# KiCad board pandore.kicad_pcb (continued)
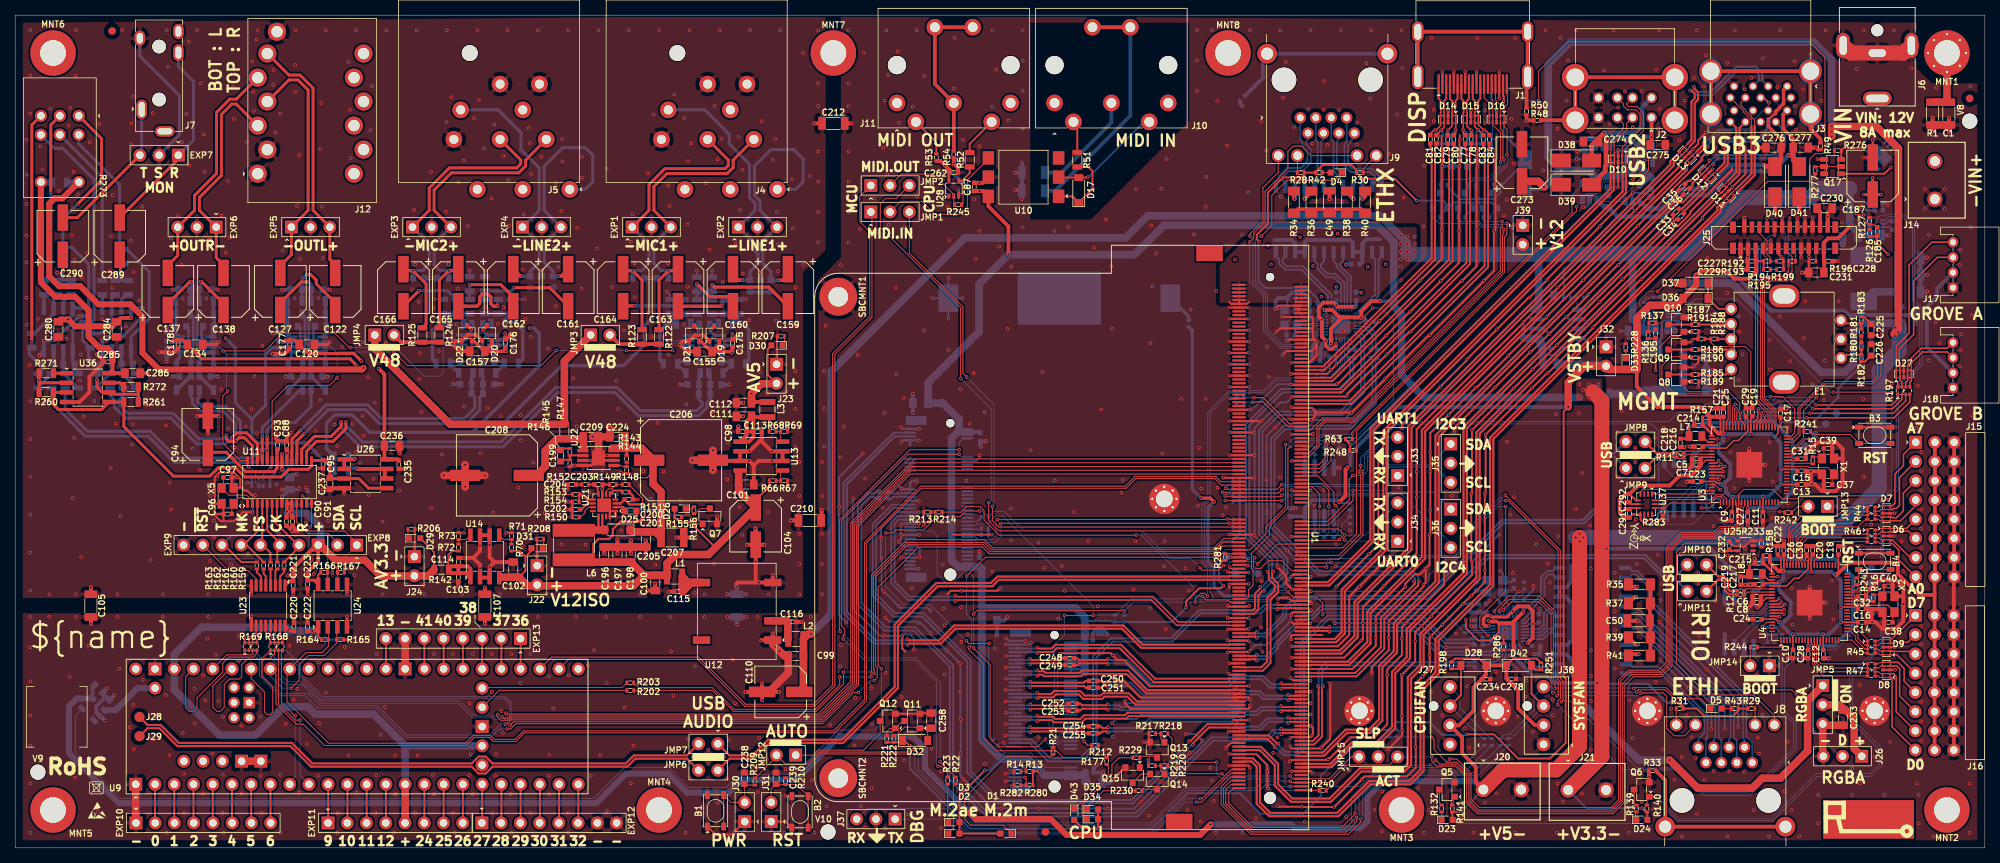
[diagram p0: board, top side]
## Routing (per net, layer and track width the routed paths; a pad name or vN(x,y) marks a point on that pad's centre or on a via; arc(x,y) is an arc through that point) (continued)
  Bottom w0.3: J19.63 117.24,39.85 v1(116.65,40.44) ; v1(116.95,55.55) 117.15,55.35 J19.1 v1(119.3,55.35) ; v1(119.3,42.85) J19.51 117.11,42.85 v1(116.91,42.64) ; J19.69 v1(116.95,38.35) ; v1(116.95,53.6) 117.2,53.85 J19.7 ; 116.63,47.82 v1(116.97,47.48) 117.1,47.35 J19.33 118.14,48.19 118.41,48.46 v1(118.97,48.46) ; J19.39 119.25,45.85 v1(119.3,45.8) ; C272.1 C271.1 ; v1(119.3,41.35) J19.57 v1(116.95,41.35) ; J19.7 118.14,53.14 ; J19.7 v1(119.3,53.85) ; v1(127.3,51.87) 127.3,51.55 126.85,51.1 J19.18 ; J19.45 v1(119.25,44.35) ; J19.75 v1(119.25,36.85)
  Bottom w0.35: v1(190.65,90.04) Q1.2 v1(188.38,90.04)
  Bottom w0.5: C51.1 175.74,77.11 v1(175.66,77.02) ; v1(12.13,21.1) 11.55,20.52 C264.1 12,20 ; C59.1 C71.1 170.85,72.44 169.91,73.38 168.57,73.38 167.92,72.73 C73.1 166.68,72.62 166.37,72.31 v1(166.37,71.23) ; v1(106.45,44.65) 106.45,43.3 C210.2 ; C109.2 v1(96.5,30.5) ; C109.2 95.25,29.55 v1(95.3,29.5) ; C109.2 v1(94,30.5) ; v1(110.4,95.7) 109.55,95.7 C213.2 ; v1(142.8,11) 142.35,10.55 C246.1 143.63,9.95 v1(143.64,9.94) 143.45,9.75 C247.1 144.4,8.55 v1(144.9,9.05) ; v1(252.4,78) 252.35,77.95 C181.1 C182.1 252.35,73.45 v1(252.4,73.5) ; v1(118.5,60) C243.1 v1(118.5,57.5) ; v1(218.06,43.28) 218.06,44.33 U5.4 ; v1(162,98) 161.68,98.32 R32.1 ; v1(11.84,16.85) 11.17,17.52 U33.2 10.73,17.88 10.73,18.73 12,20 ; U2.4 174.81,50.22 v1(174.82,50.2) ; C55.1 174.35,73.41 ; C86.2 v1(132,89.2) ; C86.2 v1(132.9,90.5) ; C86.2 132.9,86.9 ; v1(224.5,64.6) 224.05,65.05 C194.1 C192.1 223.83,60.55 v1(224.14,60.86) ; C241.1 v1(127.3,39.2) ; v1(129.5,28) 129.6,28.1 C240.1 130.5,30 v1(131,30.5) ; C65.1 171.19,64.33 C63.1 171.19,65.99 C61.1 171.46,66.52 v1(171.78,66.84) ; v1(13.08,20.18) 12.47,19.57 C263.1 12,20 ; C107.2 v1(62,29.6) ; C3.1 221.07,53.03 v1(221.05,53) ; v1(127.5,53) 127.4,53.1 C242.1 128.05,53.7 v1(128.1,53.75) ; v1(144.14,28.14) 144.14,28.31 143.81,28.65 C245.1 142.54,28.65 142.25,28.36 v1(142.25,28.12) ; C2.1 v1(169.03,44.87) ; v1(200.46,25.58) 200.49,25.55 C52.1 ; v1(247.3,80.9) 246.45,80.9 U19.8 ; C4.1 229.05,34.83 v1(229.02,34.8) ; C58.1 201.33,26.15 v1(201.34,26.14) ; 132.9,86.9 v1(132,86.9) ; 132.9,86.9 v1(132.9,85.7) ; C105.2 v1(10,29.6) ; v1(225.68,28.2) 225.66,28.19 U6.4 ; C57.1 177.01,73.41 ; C193.1 223.75,62.8 v1(224.12,63.17) ; C180.1 v1(252.4,75.7)
  Bottom w0.8: v1(219.04,68.32) 218.76,68.6 U20.8 ; v1(241.2,79.7) 241.25,79.75 C186.1
  vias: v1(2,30.5) v1(2,26.5) v1(2,22) v1(2,17.5) v1(2,13.5) v1(2,8.5) v1(2,2) v1(4.5,30.5) v1(7.18,22.59) v1(7.93,9.26) v1(8,30.5) v1(8,2) v1(9.66,26.71) v1(10.94,4.88) v1(11.34,11.34) v1(13.5,30.5) v1(13.5,2) v1(13.74,23.67) v1(15.14,15.92) v1(15.58,18.88) v1(15.65,13.04) v1(16.84,22.2) v1(18.25,14.34) v1(18.52,17.59) v1(19.5,30.5) v1(19.7,7.3) v1(19.8,27.41) v1(19.89,20.2) v1(20,2) v1(20.38,12.24) v1(22.13,15.18) v1(22.24,9.78) v1(22.3,4.6) v1(23.68,21.01) v1(23.72,16.46) v1(24.8,22.8) v1(24.8,7.2) v1(25.12,19.46) v1(25.35,27.63) v1(25.5,30.5) v1(26.03,12.44) v1(26.5,25.5) v1(26.85,19.38) v1(27.44,17.32) v1(27.42,9.65) v1(27.4,4.6) v1(27.5,2) v1(29.5,28) v1(29.5,24.7) v1(29.87,16.14) v1(29.9,7.2) v1(32.37,17.32) v1(32.39,9.54) v1(32.5,4.6) v1(35,9.65) v1(35,2) v1(35.71,16.41) v1(36.2,26.7) v1(36.77,19.57) v1(37.25,21.03) v1(37.5,7.3) v1(38.52,13.73) v1(39,27.5) v1(40,9.54) v1(40.1,24.5) v1(40.12,16.46) v1(41,20.5) v1(42.5,2) v1(42.6,24.5) v1(42.6,4.6) v1(43.5,26.5) v1(43.99,12.23) v1(45.1,24.5) v1(45.1,7.3) v1(47.6,4.6) v1(47.66,9.61) v1(47.75,25.6) v1(48.26,14.94) v1(48.5,30.5) v1(48.8,18.6) v1(50,2) v1(50.18,12.21) v1(50.2,7.1) v1(52.8,4.6) v1(53.12,12.23) v1(54,30.5) v1(55.15,9.65) v1(55.3,25.6) v1(55.3,7.1) v1(57.8,25.6) v1(57.8,4.6) v1(58,2) v1(59,30.5) v1(59.93,9.61) v1(60,19.1) v1(60.1,12.34) v1(60.4,25.6) v1(60.4,7.1) v1(62.9,25.6) v1(62.91,20.62) v1(63,4.6) v1(63.41,9.52) v1(63.48,12.4) v1(64,30.5) v1(64.16,18.06) v1(64.4,15.2) v1(65.4,7.1) v1(65.5,25.6) v1(65.5,2) v1(66.7,21.82) v1(68,25.6) v1(68,4.6) v1(69,30.5) v1(70.44,22.63) v1(70.52,12.3) v1(70.46,9.54) v1(70.5,7.1) v1(71.01,18.4) v1(73,4.6) v1(73,2) v1(73.06,22.79) v1(74,30.5) v1(75.6,24.1) v1(75.99,9.5) v1(76.41,26.1) v1(77.2,12.25) v1(78,30.5) v1(78.1,21.8) v1(78.11,4.88) v1(80.47,18.55) v1(81.27,8.54) v1(81.5,2) v1(81.6,13.51) v1(82.5,30.5) v1(82.84,21.84) v1(85.71,8.71) v1(86.5,30.5) v1(86.58,25.94) v1(86.88,20.11) v1(88.5,2) v1(88.85,14.4) v1(89.05,9.2) v1(89.45,12) v1(89.72,23.98) v1(91,30.5) v1(91.5,12.95) v1(91.5,11.1) v1(92.75,5.94) v1(93.32,18.34) v1(93.6,12) v1(93.95,9.1) v1(94.2,14.2) v1(94.74,24.87) v1(95.03,19.11) v1(98,30.5) v1(98.04,7.36) v1(98.2,14.52) v1(98.98,11.76) v1(100.35,26.55) v1(100.9,26) v1(101.5,2) v1(101.67,10.41) v1(101.65,6.88) v1(105,30.5) v1(105.18,8.96) v1(105.5,2) v1(106.5,51) v1(106.5,46.5) v1(106.5,41.5) v1(106.5,37.5) v1(106.5,33.5) v1(106.79,63.02) v1(106.79,58) v1(106.79,53) v1(107,69) v1(107.13,5.48) v1(107.6,16.2) v1(108.92,51.6) v1(108.9,24) v1(109,77) v1(109,26.8) v1(109.22,3.14) v1(109.37,55.65) v1(110,108) v1(110,101) v1(110,98) v1(110,92) v1(110,88) v1(110,84) v1(110,80) v1(110.77,13.54) v1(110.91,86.93) v1(110.9,19.8) v1(111.2,65.11) v1(111.49,81.75) v1(111.63,5.5) v1(112,105) v1(112.2,48.79) v1(112.21,11.37) v1(112.21,2.66) v1(113,21.1) v1(113.1,16.32) v1(113.05,7.89) v1(113.39,85.79) v1(113.77,81.37) v1(114.51,44.95) v1(114.6,92.5) v1(114.8,98.7) v1(114.76,57.44) v1(114.9,23.12) v1(114.86,2.53) v1(115,108) v1(115.14,88.96) v1(115.2,102.1) v1(115.3,82.29) v1(116.24,74) v1(116.19,13.21) v1(116.31,62.57) v1(116.5,105.2) v1(116.7,95.8) v1(117.02,19.94) v1(117.31,59.44) v1(117.34,11.56) v1(117.39,81.97) v1(117.95,7.83) v1(117.89,4.42) v1(118.38,34.29) v1(118.5,97.9) v1(119,108) v1(119,2) v1(119.05,86.06) v1(120,102) v1(120,83.6) v1(119.98,68.35) v1(120.4,91.2) v1(121,13.1) v1(121.52,6.01) v1(122.2,10.1) v1(122.22,2.61) v1(122.34,43.02) v1(122.3,4.4) v1(122.41,89.23) v1(122.46,37.42) v1(122.58,31.63) v1(122.7,93.5) v1(122.69,29.41) v1(122.7,22.9) v1(123.1,84.6) v1(123.2,65.78) v1(123.3,80.3) v1(123.9,100.3) v1(124,107) v1(124.79,60.6) v1(124.85,31.79) v1(124.9,27.24) v1(125.1,93.5) v1(125.55,48.51) v1(125.75,28.23) v1(126,56) v1(126.53,62.71) v1(126.6,85.7) v1(126.8,77.8) v1(127.3,92.7) v1(127.29,81.51) v1(128,57.5) v1(128,11.1) v1(129,108) v1(129,97.9) v1(129,36.5) v1(129.3,26.3) v1(129.5,102.8) v1(129.89,79.43) v1(130.4,7.1) v1(130.99,68.57) v1(131.1,96.1) v1(131.43,44.81) v1(131.43,40.6) v1(131.51,76.78) v1(133,108) v1(133,104) v1(133,100) v1(133,95) v1(133,82) v1(134.06,52.53) v1(135.07,40.3) v1(135.06,14.64) v1(135.61,62.88) v1(135.84,37) v1(136.4,23.8) v1(137.17,81.51) v1(137.23,48.53) v1(137.7,30.3) v1(138.15,37.2) v1(138.53,33.96) v1(139,82) v1(139.77,44.37) v1(141.62,40.52) v1(142.41,79.29) v1(142.9,31.9) v1(143.34,57.92) v1(143.73,13) v1(144,83) v1(144.7,76.82) v1(144.81,68.57) v1(144.88,14.71) v1(146.04,46.92) v1(146.2,48.6) v1(147.61,34.13) v1(147.9,40.5) v1(148,87) v1(148.62,6.12) v1(149.64,4.27) v1(149.86,66.69) v1(149.87,31.67) v1(149.96,82.2) v1(150.11,74.17) v1(150.63,78.54) v1(151.28,87.08) v1(151.26,8.75) v1(151.43,52.09) v1(151.71,40.5) v1(151.66,37.22) v1(151.87,28.88) v1(152,91) v1(153.34,10.82) v1(153.91,59.31) v1(154.07,8.8) v1(154.48,36.95) v1(154.75,4.96) v1(154.96,33.99) v1(155.16,71.06) v1(155.58,81.04) v1(156,108) v1(156,104) v1(156,100) v1(156,95) v1(156.15,45.18) v1(156.28,52.86) v1(156.5,3.5) v1(156.56,47.45) v1(157.25,88.63) v1(157.15,84.67) v1(157.16,59.32) v1(157.78,10.59) v1(158,108) v1(158,8.9) v1(158.24,6.2) v1(158.5,2) v1(158.55,73.57) v1(158.67,98.65) v1(158.72,47.57) v1(159.39,43.94) v1(159.85,45.02) v1(159.98,92.76) v1(161.02,77.73) v1(161.95,80.99) v1(162,2) v1(162.78,86.58) v1(163,108) v1(163.77,3.93) v1(164.45,29.1) v1(164.48,96.01) v1(164.5,35.2) v1(164.65,25.91) v1(165.15,92.13) v1(165.22,66.2) v1(165.37,79.56) v1(165.5,62.2) v1(165.79,77.08) v1(166.05,12.55) v1(166.6,14.6) v1(166.93,45.09) v1(167,108) v1(167.04,86.02) v1(166.99,48.94) v1(167.36,99.11) v1(167.73,103.79) v1(168.86,95.24) v1(169.59,80.68) v1(170.21,3.43) v1(170.72,97.59) v1(171,108) v1(171.2,93.05) v1(171.32,76.87) v1(171.48,45.21) v1(171.74,85.4) v1(172.42,72.83) v1(172.72,97.5) v1(172.7,47.25) v1(172.75,101.28) v1(173.23,92.86) v1(173.88,69.85) v1(173.96,53.48) v1(174.36,40.12) v1(174.57,81.15) v1(174.74,97.46) v1(175,108) v1(175.2,85.35) v1(175.33,68.24) v1(175.7,4.1) v1(176.01,69.1) v1(176.1,10.2) v1(176.22,41.95) v1(177.14,95.81) v1(177.12,92.93) v1(178.39,103.65) v1(178.54,76.74) v1(178.87,99) v1(179,108) v1(179.43,5.04) v1(179.82,85.91) v1(180.44,7.47) v1(180.4,2.2) v1(180.92,77.09) v1(181.34,91.68) v1(182.41,96.86) v1(182.6,47.65) v1(182.93,75) v1(183,108) v1(183.12,103.02) v1(183.29,85.92) v1(185.2,7.9) v1(185.9,93.6) v1(185.9,82.1) v1(186,90.1) v1(186,2) v1(186.6,5) v1(186.89,20.63) v1(187,107) v1(187.25,97.5) v1(187.25,96) v1(188.38,17.48) v1(189.68,46.52) v1(190.24,28.32) v1(190.6,4) v1(191.37,15.83) v1(191.63,21.35) v1(191.94,13.25) v1(192.5,2) v1(193,107) v1(194,97.43) v1(194,95.75) v1(194,6) v1(195.44,23.26) v1(195.6,7.2) v1(196.5,83.5) v1(196.63,28.8) v1(196.8,12) v1(196.9,85.6) v1(196.92,53.64) v1(197.35,44.03) v1(197.5,96.3) v1(197.6,81.9) v1(197.72,36.29) v1(197.79,90.37) v1(197.83,46.32) v1(198,107) v1(198,2) v1(198.33,17.32) v1(199.39,20.02) v1(199.52,22.11) v1(200.33,15.31) v1(200.8,40.1) v1(201.7,89.5) v1(202,108) v1(202.31,37.56) v1(202.57,35.02) v1(202.95,17.54) v1(202.98,19.57) v1(203.4,57.3) v1(203.5,2) v1(203.6,95) v1(203.6,8.5) v1(203.7,41.2) v1(204,107) v1(204.3,6.1) v1(204.8,98.7) v1(205,104) v1(206,108) v1(205.98,44.75) v1(206.4,57.4) v1(206.82,49.52) v1(206.8,7.2) v1(207.9,42.6) v1(208,36.9) v1(208,26.1) v1(208,22.7) v1(208,19.4) v1(208,13) v1(209,2) v1(209.7,102.7) v1(210.5,95.6) v1(211,108) v1(211.15,36.33) v1(211.15,31.26) v1(211.2,28.76) v1(211.16,23.69) v1(211.5,54.9) v1(211.6,97.8) v1(211.69,48.93) v1(211.95,51.9) v1(212.05,57.72) v1(212.5,99.9) v1(212.95,67.3) v1(213,2) v1(213.1,19.5) v1(213.5,95.2) v1(213.5,14.5) v1(213.85,52.9) v1(213.85,50.9) v1(213.92,43.42) v1(214.06,37.47) v1(214.7,100) v1(214.7,6.1) v1(215.75,51.95) v1(216.15,48.95) v1(216.45,54.2) v1(216.5,4.5) v1(216.6,102.8) v1(216.55,21.92) v1(216.84,38.71) v1(216.9,95) v1(217,108) v1(217.1,97.6) v1(217.2,32.72) v1(217.36,34.86) v1(217.5,13) v1(217.6,55.53) v1(218.6,18.4) v1(219,9) v1(219.7,93.5) v1(219.82,38.85) v1(219.8,32) v1(220,12) v1(220,1.5) v1(220.2,35.6) v1(220.4,98.7) v1(220.61,17.44) v1(221.33,14.62) v1(221.6,101.7) v1(221.83,11.88) v1(222,108) v1(222,4.5) v1(222.2,36.3) v1(222.2,34.9) v1(222.3,28) v1(222.9,100.6) v1(223,9) v1(223.2,104.7) v1(223.4,77.9) v1(224.2,42.46) v1(224.22,10.16) v1(224.4,92.5) v1(224.4,32.6) v1(225.09,37.11) v1(225.4,70.2) v1(225.4,68.2) v1(226,103.7) v1(226,73.3) v1(226,38.62) v1(226,1.5) v1(226.25,10.1) v1(226.4,52.3) v1(226.9,47.5) v1(226.9,35.3) v1(227,108) v1(227.5,70.2) v1(227.5,61.8) v1(227.6,68.2) v1(227.7,37.2) v1(227.7,24.7) v1(228,65.2) v1(228.1,60.1) v1(228.3,100.2) v1(228.26,10.04) v1(229.2,101.7) v1(229.5,5) v1(229.9,22.8) v1(230.02,14.57) v1(230.19,12.45) v1(230.64,17.63) v1(230.7,104.3) v1(231.5,74.3) v1(231.5,1.5) v1(231.61,67.09) v1(231.64,63.21) v1(231.6,53.6) v1(231.9,43.6) v1(232,48.4) v1(232.6,100.5) v1(232.93,70.22) v1(233,108) v1(233.5,7.5) v1(234,55.54) v1(234,45.5) v1(234,14) v1(234.29,64.28) v1(234.5,34.3) v1(234.5,5) v1(234.6,29.5) v1(234.9,103.9) v1(234.9,98) v1(235.1,94.9) v1(235.2,19.3) v1(235.5,1.5) v1(236,100.2) v1(236.1,67.35) v1(236.3,72.2) v1(236.8,78.1) v1(237,104.9) v1(237.25,61.28) v1(238,7) v1(238,3.25) v1(238.41,98.72) v1(238.41,94.92) v1(238.77,59.13) v1(238.86,64.37) v1(239,108) v1(239.8,35.3) v1(240,30.2) v1(240.7,72.2) v1(241.23,50.5) v1(241.5,13.5) v1(242,38.35) v1(242.5,10.5) v1(242.5,7) v1(243.1,102.9) v1(243.5,21.5) v1(243.5,8.5) v1(243.64,84.84) v1(244,108) v1(243.97,59.28) v1(244,49) v1(244,14) v1(245,42.7) v1(245.5,12) v1(246.75,7) v1(247.5,14) v1(247.68,61.38) v1(248,108) v1(249,40.5) v1(249.19,36.5) v1(249.24,32.2) v1(250.3,103) v1(251,55.5) v1(251,8.5) v1(251.17,61.05) v1(251.25,7) v1(251.25,3.25) v1(251.6,52.3) v1(251.6,49.8) v1(251.6,47.2) v1(251.6,44.7) v1(251.6,42.2) v1(251.6,39.6) v1(251.6,37.1) v1(251.6,34.5) v1(251.6,29.3) v1(251.6,26.9) v1(251.6,24.4) v1(251.6,21.8) v1(251.6,19.3) v1(251.6,16.7) v1(251.6,14.1) v1(251.6,11.7) v1(252.1,87) v1(252.1,84.4) v1(252.62,81) v1(252.6,64.4) v1(253.25,1.5) v1(253.5,69.4) v1(253.6,100.4) v1(254,66.7) v1(254.7,87) v1(254.7,84.4) v1(256.68,77.03) v1(256.71,63.63) v1(256.8,79) v1(256.86,67.84) v1(256.86,65.78) v1(258,8.5) v1(258,2) v1(258.1,100.6) v1(258.1,86.9) v1(258.12,82.01) v1(258.31,70.36) v1(258.31,57.08)
/Audio/_USB.D+: length 78.2
  Top w0.28: J29.1 17.48,15.8 19.04,15.8 21.41,13.44 36.34,13.44 39.05,10.72 60.27,10.72 61.18,9.82 62.1,9.82 63.01,10.72 80.79,10.72 81.85,11.78 88.68,11.78 JMP6.2
/Audio/_USB.D-: length 78.2
  Top w0.28: J28.1 17.48,16.23 19.22,16.23 21.59,13.87 36.52,13.87 39.23,11.16 60.27,11.16 61.18,12.06 62.1,12.06 63.01,11.16 80.61,11.16 81.67,12.22 88.68,12.22 JMP7.2
/Audio/Audio inputs/_LINE1IN.SIG+: length 36.2
  Top w0.45: C159.1 102,75 v1(100.75,75)
  Bottom w0.4: 99.75,76.12 98.7,77.17 98.7,78.71 98.33,79.08 98.33,79.78 EXP2.3 98.33,84.22 98.33,85.43 97.58,86.17 97.58,90.06 99.76,92.24 102.76,92.24 104.01,90.99 104.01,87.99 103.01,86.99 J4.T
  Bottom w0.45: 99.75,76.12 C172.2 v1(100.75,75)
/Audio/Audio inputs/_LINE1IN.SIG-: length 36
  Top w0.45: v1(96,75) 95,75 94.75,75.25 C160.1
  Bottom w0.4: J4.R 91.01,97.49 94.26,94.24 94.26,92.99 96.94,90.31 96.94,85.91 97.67,85.17 97.67,84.22 EXP2.1 97.67,79.78 97.67,78.82 98.05,78.44 98.05,77.17 97,76.12
  Bottom w0.45: v1(96,75) C170.2 97,76.12
/Audio/Audio inputs/_LINE2IN.SIG+: length 34.1
  Top w0.45: C161.1 72.05,75.5 v1(71.8,75.5)
  Bottom w0.4: 69.85,77.33 69.83,77.35 69.83,79.78 EXP4.3 69.83,84.22 69.83,90.05 72.26,92.49 75.26,92.49 76.26,91.49 76.26,87.99 75.26,86.99 J5.T
  Bottom w0.45: v1(71.8,75.5) C168.2 71,76.18 69.85,77.33
/Audio/Audio inputs/_LINE2IN.SIG-: length 34.1
  Top w0.45: v1(66.9,75.5) 66.7,75.5 C162.1
  Bottom w0.4: J5.R 63.76,97.49 66.76,94.49 66.76,92.24 69.17,89.82 69.17,84.22 EXP4.1 69.17,79.78 69.17,77.35 69.15,77.33
  Bottom w0.45: v1(66.9,75.5) C167.2 68,76.18 69.15,77.33
/Audio/Audio inputs/_MIC1IN.SIG+: length 42.4
  Top w0.4: v1(86.25,76.25) 85,75 R122.1 ; J4.2 94.78,90.86 94.78,89.88 93.98,89.08 86.03,89.08 84.31,87.36 84.31,84.22 EXP1.3 ; 87.5,77.5 C163.1
  Top w0.45: C163.1 87.3,76.25 v1(86.25,76.25)
  Bottom w0.4: EXP1.3 84.31,79.78 84.31,77.2 85.27,76.25 v1(86.25,76.25)
  Bottom w0.45: C139.1 v1(86.25,76.25)
/Audio/Audio inputs/_MIC1IN.SIG-: length 42.6
  Top w0.4: EXP1.1 83.67,84.22 83.67,87.62 85.77,89.72 93.72,89.72 94.13,90.14 94.13,90.86 J4.3 ; 80.25,77.5 C164.1 ; v1(81.5,76.25) 82.75,75 R123.1
  Top w0.45: v1(81.5,76.25) 80.45,76.25 C164.1
  Bottom w0.4: EXP1.1 83.67,79.78 83.67,77.2 82.72,76.25 v1(81.5,76.25)
  Bottom w0.45: C158.2 v1(81.5,76.25)
/Audio/Audio inputs/_MIC2IN.SIG+: length 43.5
  Top w0.4: v1(57.25,76.25) 56,75 R124.1 ; EXP3.3 55.31,84.22 55.31,86.9 57.58,89.17 66.48,89.17 67.38,90.08 67.38,90.86 J5.2 ; 58.5,77.5 C165.1
  Top w0.45: v1(57.25,76.25) 58.3,76.25 C165.1
  Bottom w0.4: v1(57.25,76.25) 56.1,76.25 55.31,77.05 55.31,79.78 EXP3.3
  Bottom w0.45: C146.1 v1(57.25,76.25)
/Audio/Audio inputs/_MIC2IN.SIG-: length 44.1
  Top w0.4: J5.3 66.73,90.86 66.73,90.34 66.22,89.83 57.32,89.83 54.66,87.16 54.66,84.22 EXP3.1 ; R125.1 54.25,69.2 54.25,74.5 v1(52.5,76.25) ; 51.25,77.55 C166.1
  Top w0.45: C166.1 51.45,76.25 v1(52.5,76.25)
  Bottom w0.4: v1(52.5,76.25) 53.8,76.25 54.66,77.11 54.66,79.78 EXP3.1
  Bottom w0.45: C147.2 v1(52.5,76.25)
/Audio/Audio inputs/IN buffer 1/INBUF.FB+: length 12.3
  Bottom w0.4: R110.2 R82.2 93.8,70.55 R118.2 95.5,70 94.88,69.38 94.7,69.38
  Bottom w0.45: 94.7,69.41 95.9,69.41 96.86,68.45 96.86,64.36 R96.1
/Audio/Audio inputs/IN buffer 1/INBUF.FB-: length 12.5
  Bottom w0.4: 88.15,70.4 R83.2 R111.2
  Bottom w0.45: R83.2 88.2,70.55 R120.2 86.5,70 R95.1 86,69.2 85.1,68.3 85.1,64.4 R97.1
/Audio/Audio inputs/IN buffer 1/INBUF.IN+: length 8
  Top w0.45: D19.3 v1(91.8,68.45)
  Bottom w0.4: C142.2 91.71,64.24 91.71,67.08 92.3,67.67 ; R94.2 C173.2 91.75,68.22 92.3,67.67 ; 92.3,67.67 U17.1
/Audio/Audio inputs/IN buffer 1/INBUF.IN-: length 8.1
  Top w0.45: D21.3 89.7,68.95 v1(90.2,68.45)
  Bottom w0.4: 89.71,67.68 90.25,68.22 C173.1 R95.2 ; 89.71,67.68 U17.8 ; 89.71,67.68 90.3,67.09 90.3,64.25 C143.2
/Audio/Audio inputs/IN buffer 1/INBUF.OUT+: length 4.7
  Bottom w0.4: R98.1 94.55,63.8 R96.2 94.3,64.2 C142.1 93.25,65.53 93.06,65.72
/Audio/Audio inputs/IN buffer 1/INBUF.OUT-: length 4.7
  Bottom w0.4: U17.5 88.75,65.52 C143.1 87.7,64.2 R97.2 87.45,63.8 R99.1
/Audio/Audio inputs/IN buffer 2/INBUF.FB+: length 12.2
  Bottom w0.4: R112.2 R88.2 R119.2 65.45,70.55 64.7,69.8 64.7,69.43
  Bottom w0.45: 64.8,69.45 65.9,69.45 67,68.36 67,64.55 R102.1
/Audio/Audio inputs/IN buffer 2/INBUF.FB-: length 12.4
  Bottom w0.4: 58.15,70.45 R89.2 R113.2
  Bottom w0.45: R89.2 R121.2 56.5,70.5 57.3,69.7 R101.1 55.95,69.25 55.1,68.4 55.1,64.45 R103.1
/Audio/Audio inputs/IN buffer 2/INBUF.IN+: length 8
  Top w0.45: D20.3 v1(61.8,68.5)
  Bottom w0.4: 62.3,67.72 U18.1 ; 62.3,67.72 61.71,67.13 61.71,64.29 C149.2 ; 62.3,67.72 61.75,68.27 C174.2 R100.2
/Audio/Audio inputs/IN buffer 2/INBUF.IN-: length 8.1
  Top w0.45: D22.3 59.7,69 v1(60.2,68.5)
  Bottom w0.4: C150.2 60.3,64.3 60.3,67.14 59.71,67.73 ; 59.71,67.73 60.25,68.27 C174.1 R101.2 ; 59.71,67.73 U18.8
/Audio/Audio inputs/IN buffer 2/INBUF.OUT+: length 4.7
  Bottom w0.4: R104.1 64.55,63.85 R102.2 64.3,64.25 C149.1 63.25,65.58 U18.4
/Audio/Audio inputs/IN buffer 2/INBUF.OUT-: length 4.7
  Bottom w0.4: U18.5 58.75,65.57 C150.1 57.7,64.25 R103.2 57.45,63.85 R105.1
/Audio/Audio inputs/LINE1IN.SIG+: length 13.2
  Top w0.45: v1(92,74.4) 92.33,74.07 99.48,74.07 C159.2
  Bottom w0.4: R114.2 R110.1
  Bottom w0.45: R114.2 v1(92,74.4)
/Audio/Audio inputs/LINE1IN.SIG-: length 8.7
  Top w0.45: C160.2 94.75,72.55 94.5,72.8 91.7,72.8 v1(90,74.5)
  Bottom w0.4: R116.2 R111.1
  Bottom w0.45: R116.2 v1(90,74.5)
/Audio/Audio inputs/LINE2IN.SIG+: length 13.3
  Top w0.4: v1(65.9,74) 70.55,74 C161.2
  Bottom w0.4: v1(65.9,74) 65.45,73.55 R115.2 R112.1
/Audio/Audio inputs/LINE2IN.SIG-: length 9.6
  Top w0.4: v1(60,74.4) 64.1,74.4 65.75,72.75 C162.2
  Bottom w0.4: R117.2 R113.1
  Bottom w0.45: v1(60,74.4) R117.2
/Audio/Audio inputs/MIC1IN.SIG+: length 7.9
  Top w0.45: 87.5,70.5 C163.2 93.25,71.55 v1(93.3,71.6)
  Bottom w0.45: v1(93.3,71.6) 93.3,71.95 R82.1
/Audio/Audio inputs/MIC1IN.SIG-: length 9.4
  Top w0.45: v1(81.7,71.6) 80.3,71.6 C164.2 80.25,70.55
  Bottom w0.45: v1(81.7,71.6) 87.45,71.6 R83.1
/Audio/Audio inputs/MIC2IN.SIG+: length 9.6
  Top w0.45: v1(63.7,71.6) 63.65,71.55 63.14,71.55 62.77,71.91 62.77,72.78 62.41,73.14 61.69,73.14 61.32,72.78 61.32,71.91 60.96,71.55 C165.2 58.5,70.4
  Bottom w0.45: R88.1 63.7,72.4 v1(63.7,71.6)
/Audio/Audio inputs/MIC2IN.SIG-: length 9.5
  Top w0.4: v1(53.3,73.6) C166.2 51.25,70.35
  Bottom w0.4: R89.1 57.1,73.6 v1(53.3,73.6)
/Audio/Audio inputs/MICLINE1.SIG+: length 68.2
  Top w0.4: v1(43,56.28) 43.02,56.25 43.02,55.66 41.72,54.36 39.52,54.36 37.81,52.65 U11.17
  Bottom w0.4: v1(43,56.28) 43.02,56.25 43.02,55.52 45.57,52.97 64.43,52.97 71.63,60.17 79.17,60.17 82.25,57.09 90.24,57.09 91.33,58.18 91.33,58.85 91.75,59.27 C153.2 C144.1 91.75,62.5 R98.2
/Audio/Audio inputs/MICLINE1.SIG-: length 66
  Top w0.4: v1(43.7,56.28) 43.67,56.25 43.67,55.4 41.98,53.7 39.78,53.7 38.47,52.39 U11.16
  Bottom w0.4: v1(43.7,56.28) 43.67,56.25 43.67,55.78 45.83,53.62 64.17,53.62 71.37,60.83 79.43,60.83 82.51,57.75 89.98,57.75 90.67,58.44 90.67,58.85 90.25,59.27 C153.1 C145.2 90.25,62.5 R99.2
/Audio/Audio inputs/MICLINE2.SIG+: length 35.1
  Top w0.4: v1(38.17,54.69) 38.13,54.69 37.19,53.75 37.19,51.96 37.16,51.94 U11.18
  Bottom w0.4: v1(38.17,54.69) 38.17,54.73 41.31,57.88 46.27,57.88 48.07,56.08 59.57,56.08 61.33,57.83 61.33,59.53 61.75,59.95 C154.2 C151.1 61.75,62.55 R104.2
/Audio/Audio inputs/MICLINE2.SIG-: length 35.1
  Top w0.4: U11.19 36.52,52.21 36.54,52.23 36.54,54.02 37.67,55.15 v1(37.67,55.19)
  Bottom w0.4: v1(37.67,55.19) 37.71,55.19 41.05,58.53 46.53,58.53 48.33,56.72 59.31,56.72 60.67,58.09 60.67,59.53 60.25,59.95 C154.1 C152.2 60.25,62.55 R105.2
/Audio/Audio inputs/VCM: length 95.3
  In1.Cu w0.45: v1(64.67,68) 64.67,68.17 65.17,68.67 v1(67.88,68.67) ; v1(84.05,69.9) 84.07,69.92 92.7,69.92 v1(94.67,67.95)
  Bottom w0.45: v1(94.67,67.95) 94.67,67.23 C141.2 94.53,67.03 U17.2 ; v1(84.05,69.9) 84.01,69.9 83.06,68.95 83.06,66.46 80.31,63.71 72.11,63.71 63.29,54.89 60.37,54.89 ; v1(64.67,68) 64.67,67.28 C148.2 64.53,67.08 U18.2 ; 41.89,51.72 R204.2 41.1,52.71 41.1,56.1 42.2,57.2 44.5,57.2 46.81,54.89 60.37,54.89 ; 60.37,54.89 69.19,63.71 69.19,67.96 68.48,68.67 v1(67.88,68.67)
/Audio/Audio inputs/~{MUTE}.L: length 75.8
  Top w0.127: v1(33.73,50.31) 33.91,50.49 U11.23 33.91,58.97 36.05,61.1 41.5,61.1 v1(42.5,62.1) ; v1(50,65.5) 51.8,63.7 69.4,63.7 v1(71.4,65.7) ; v1(80.7,65.7) v1(86.8,65.7)
  Bottom w0.127: 42.5,65.37 41.7,66.17 U15.7 ; 42.5,65.37 42.63,65.5 v1(50,65.5) ; 42.5,65.37 v1(42.5,62.1) ; U17.7 87.33,67.03 86.8,66.5 v1(86.8,65.7) ; R107.1 R106.2 32.74,49.32 v1(33.73,50.31) ; v1(71.4,65.7) v1(80.7,65.7)
